# KiCad board RX8-7.kicad_pcb (continued)
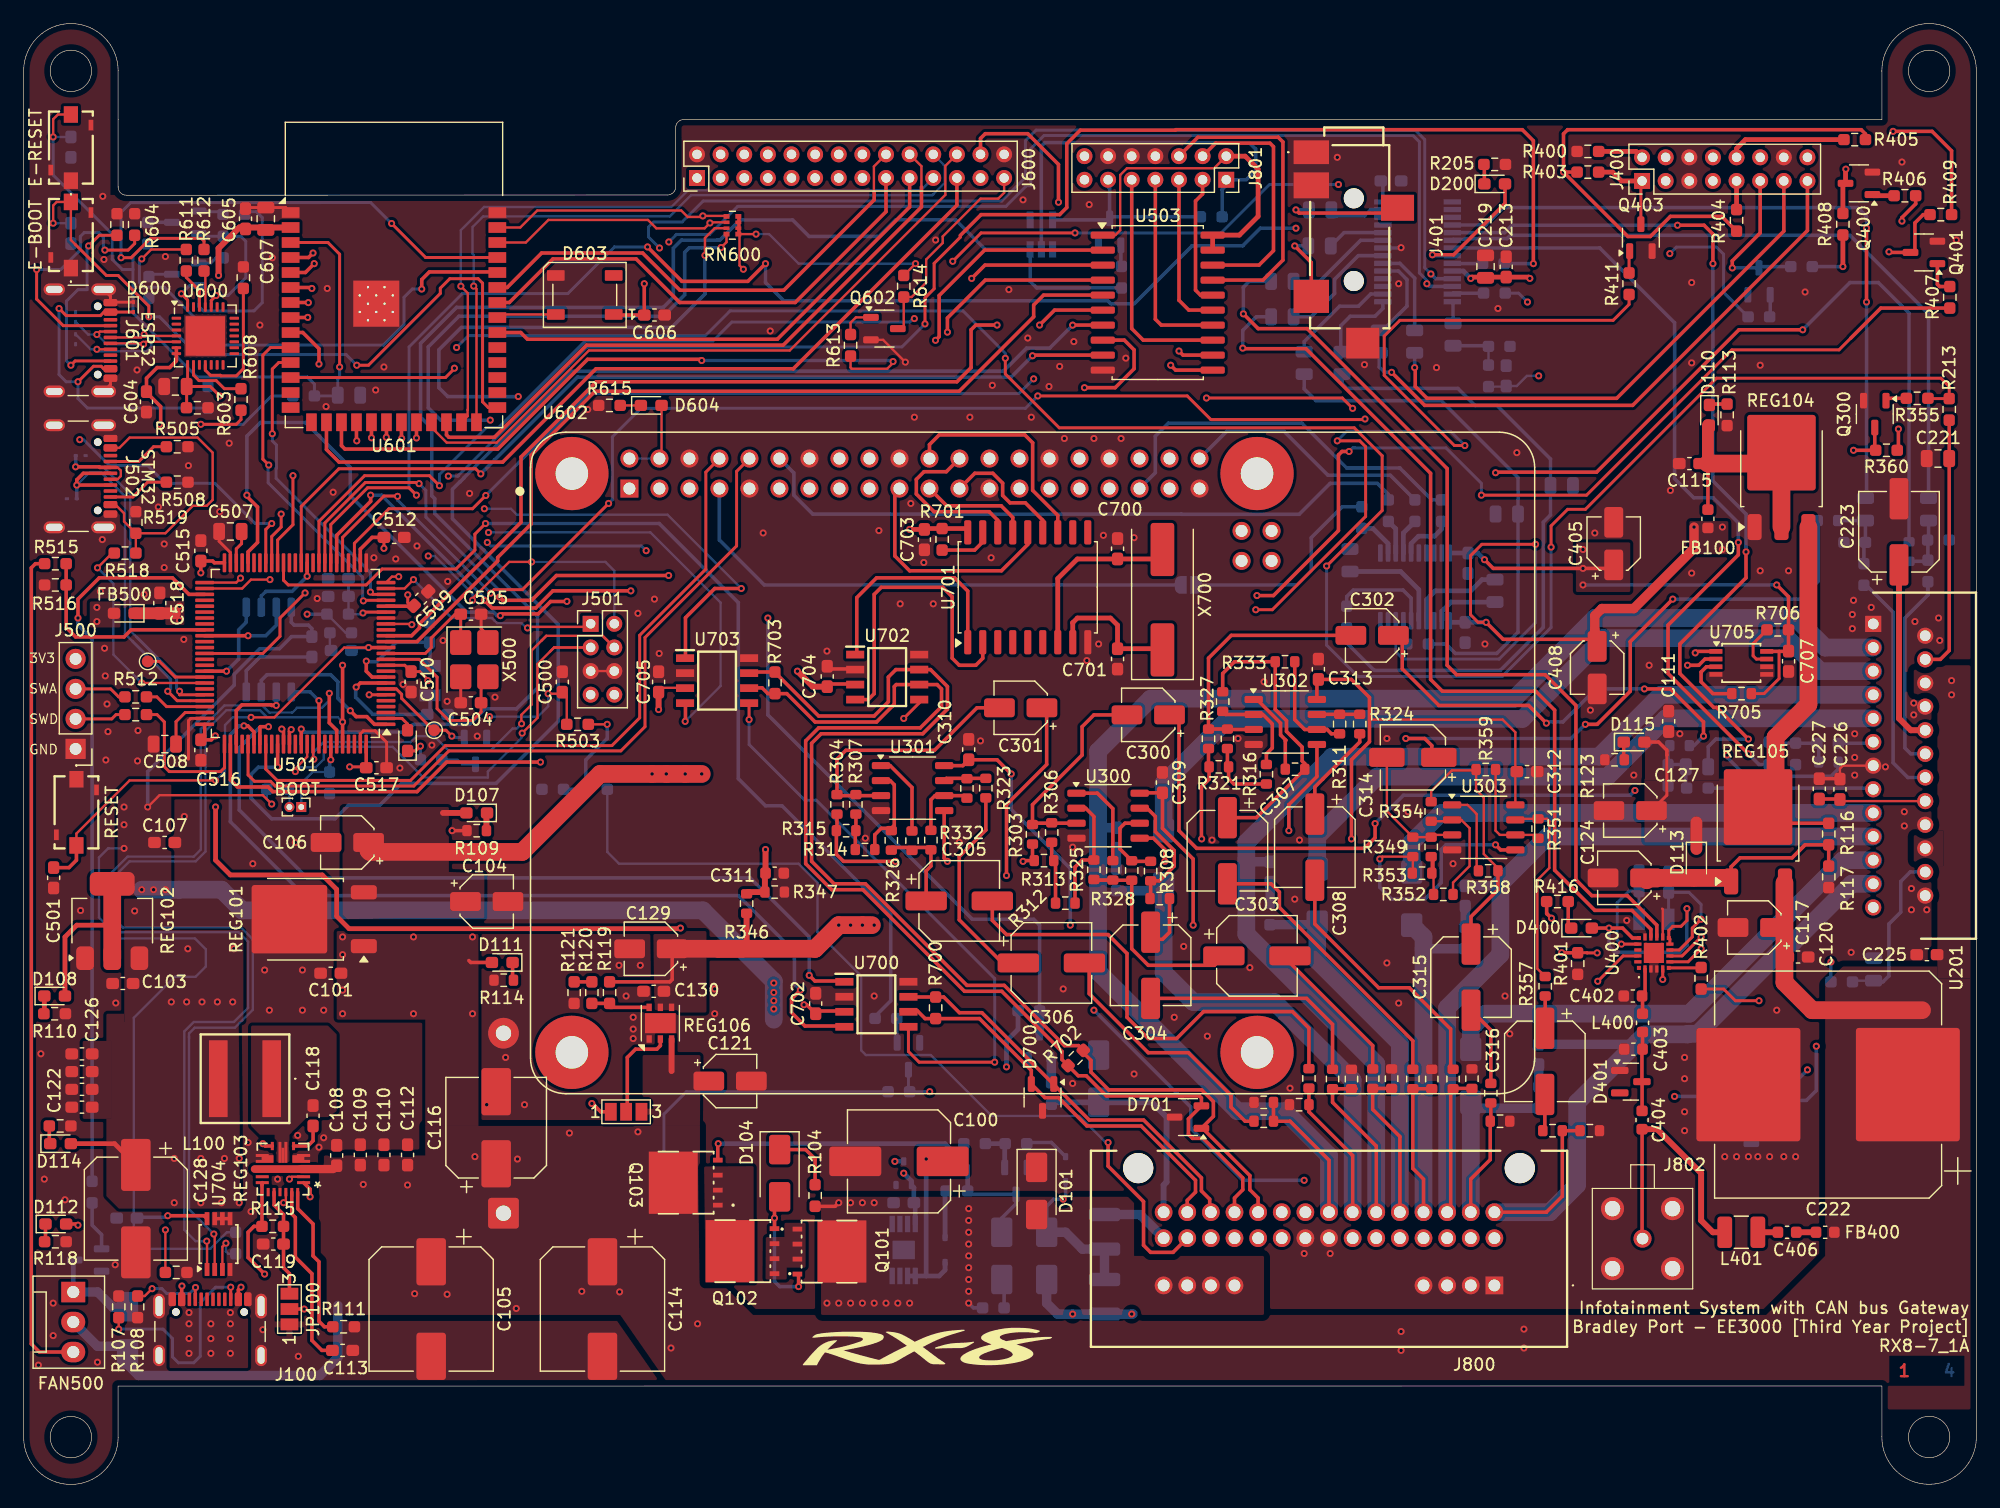
[diagram p0: board, top side]
## Routing (per net, layer and track width the routed paths; a pad name or vN(x,y) marks a point on that pad's centre or on a via; arc(x,y) is an arc through that point) (continued)
/MCU1/BOOT0: length 7.3
  Top w0.3: U501.94 v1(26,61.34)
  Bottom w0.2: BOOT.1 23.5,59.34 24.46,60.31 R510.2
  Bottom w0.3: v1(26,61.34) 25.9,61.24 25.9,60.26
/MCU1/CAN1_RXD: length 73.7
  Top w0.3: U501.81 19.5,63.69 18.98,64.22 v1(18.65,64.22) ; v1(65.75,41.84) 65,41.09 65,39.94 66.14,38.8 69.32,38.8
  Bottom w0.3: v1(18.65,64.22) 18.25,64.22 17.5,63.47 17.5,56.09 23.75,49.84 60.5,49.84 65.25,45.09 65.25,42.34 v1(65.75,41.84)
/MCU1/CAN1_TXD: length 69.6
  Top w0.3: 69.32,42.61 66.98,42.61 v1(66.5,43.09) ; v1(20.73,64.14) 20.05,64.14 20,64.09 U501.82
  Bottom w0.3: v1(20.73,64.14) 20.05,64.14 18.25,62.34 18.25,57.09 24,51.34 61.5,51.34 66.5,46.34 v1(66.5,43.09)
/MCU1/CAN2_RXD: length 61.9
  Top w0.2: U501.52 18.5,75.84 19.25,76.59 v1(20.85,76.59)
  Top w0.3: v1(56,64.59) 56.03,64.62 56.03,66.16
  In2.Cu w0.2: v1(20.85,76.59) 22.5,78.24 22.5,79.84 23.25,80.59 38.5,80.59 38.51,80.58 v1(39.35,80.58)
  Bottom w0.2: v1(39.35,80.58) 39.36,80.59 53.05,80.59 59,74.64 59,67.59 v1(56,64.59)
/MCU1/CAN2_TXD: length 60
  Top w0.2: v1(18.36,76.72) 18.36,76.7 18,76.34 U501.51
  Top w0.3: 56.03,69.97 56.03,73.37 58.5,75.84 v1(60.75,75.84)
  In2.Cu w0.2: v1(39,82.59) 37.47,81.07 22.72,81.07 18.38,76.72 v1(18.36,76.72)
  Bottom w0.2: v1(60.75,75.84) 54.5,82.09 41.75,82.09 41.25,82.59 v1(39,82.59)
/MCU1/CCU_RX: length 36.4
  Top w0.3: U503.11 97.51,94.33 v1(97.1,94.74) ; J600.26 81,113.94 81.4,114.34 85,114.34 87.6,111.74 v1(87.6,108.54)
  In2.Cu w0.3: v1(97.1,94.74) 98.4,94.74 99.2,95.54 99.2,96.84 87.6,108.44 v1(87.6,108.54)
/MCU1/CCU_TX: length 32.8
  Top w0.3: U503.12 98.15,95.6 v1(97.8,95.94)
  In2.Cu w0.3: v1(97.8,95.94) 89.1,104.64 78.78,104.64 78.35,105.07 78.35,107.94 J600.25
/MCU1/ESP32_RX: length 28.9
  Top w0.25: v1(20.75,86.29) 20.25,86.79 20.25,95.59 20.9,96.24 U601.10 ; U501.22 28.8,74.84 v1(28.75,74.8)
  Bottom w0.25: v1(28.75,74.8) 28.7,74.85 28.7,76.79 28.36,77.13 28.36,77.15 28.04,77.47 28.02,77.47 20.7,84.79 20.7,86.24
/MCU1/ESP32_TX: length 25.5
  Top w0.25: U601.11 21.6,94.97 21.05,94.42 v1(21.05,88.94) ; U501.23 29.55,75.34 v1(29.35,75.54)
  Bottom w0.25: v1(21.05,88.94) 21.05,88.34 21.4,87.99 21.4,86.06 21.37,86.03 21.37,85.17 29.35,77.19 v1(29.35,75.54)
/MCU1/FAN_TACHO: length 17.7
  Top w0.3: R515.2 R516.1 3.6,72.54 4.4,71.74 8.5,71.74 9.1,72.34 U501.59
/MCU1/Illum_IN: length 93.8
  Top w0.3: v1(51.4,75.64) 44.8,75.64 43.35,74.19 39.65,74.19 v1(39,74.84) ; v1(29.38,83.74) 29.38,83.22 26.5,80.34 U501.31
  In2.Cu w0.3: v1(63,73.34) 53.7,73.34 v1(51.4,75.64)
  Bottom w0.3: R502.1 86,47.34 85.5,47.84 80.3,47.84 63,65.14 v1(63,73.34) ; v1(29.38,83.74) 30.28,83.74 39,75.02 v1(39,74.84)
  Bottom w0.8: Q500.1 R502.1
/MCU1/NRST: length 40.9
  Top w0.2: v1(19.25,64.93) 21.22,64.93 27.13,70.84 v1(29.2,70.84) ; v1(16.25,59.59) 8.97,59.59 4.47,55.09 RESET.2
  Top w0.3: C501.2 3.84,52.21 4.47,52.84 RESET.2 ; U501.14 v1(29.2,70.84)
  Bottom w0.2: v1(16.25,59.59) 17.05,60.39 17.05,64.28 17.7,64.93 v1(19.25,64.93)
  Bottom w0.3: v1(29.2,70.84) 27.9,70.84 27.8,70.74
/MCU1/OUT1Hz: length 8.5
  Top w0.25: v1(36.25,63.34) 35.75,63.84 TP500.1 34.7,63.84 32,66.54 32,66.89 31.54,67.34 U501.7
  Bottom w0.25: Q502.2 36.36,63.23 v1(36.25,63.34)
/MCU1/OUT25MHz: length 5.4
  Top w0.25: U501.67 12.82,68.34 11.5,69.67 TP501.1
/MCU1/PA2: length 19.5
  Top w0.2: v1(42.65,72.51) 42.74,72.59 47.75,72.59 48,72.84 ; v1(33,76.59) 32.25,75.84 U501.24
  Bottom w0.2: v1(42.65,72.51) 42.55,72.51 42.14,72.91 40.08,72.91 39.89,73.1 39.88,73.1 39.64,73.34 36.25,73.34 v1(33,76.59)
/MCU1/PA3: length 28.4
  Top w0.2: v1(38,74.84) 38,74.99 41.1,78.09 v1(43,78.09) ; v1(31.75,76.84) 31.17,76.84 U501.25
  In2.Cu w0.2: v1(34.25,78.59) 33.5,78.59 v1(31.75,76.84)
  Bottom w0.2: v1(43,78.09) 49.25,78.09 50,77.34 50,72.84 ; v1(34.25,78.59) 34.79,78.59 38,75.39 v1(38,74.84)
/MCU1/PB4: length 41.4
  Top w0.2: 44.56,70.51 43.5,69.44 43.5,64.89 v1(42.2,63.59) ; 44.56,70.51 44.9,70.84 48,70.84 ; 44.56,70.51 44.91,70.85 J501.3 ; U501.90 24,61.59 23,60.59 v1(23,60.34)
  Bottom w0.2: v1(42.2,63.59) 42.15,63.54 42.15,63.19 39.3,60.34 39.3,59.84 33.83,59.84 31.23,62.44 25.7,62.44 25.4,62.14 25.4,61.37 24.73,60.71 23.36,60.71 v1(23,60.34)
/MCU1/PB5: length 37.9
  Top w0.2: 43.85,71.45 44.24,71.83 ; 43.85,71.45 43,70.59 43,66.01 42.13,65.15 42.13,64.41 v1(42.15,64.39) ; 43.85,71.45 44.24,71.83 49.01,71.83 50,70.84 ; v1(24.56,61.39) 24.5,61.45 U501.91 ; 49.02,71.83 J501.4
  Bottom w0.2: v1(42.15,64.39) 41.74,63.99 41.39,63.99 39.5,62.09 36,62.09 34.75,63.34 33.25,63.34 32.75,62.84 25.4,62.84 24.56,62.01 v1(24.56,61.39)
/MCU1/QSPI_CLK: length 6.7
  Top w0.3: v1(24,76.88) U501.36
  Bottom w0.3: v1(24,76.88) 22.71,75.59 20.5,75.59 20.11,75.21 U502.6
/MCU1/QSPI_CS: length 6.3
  Top w0.3: v1(25,66.34) U501.92
  Bottom w0.3: U502.1 24.26,67.08 v1(25,66.34)
/MCU1/QSPI_D0: length 8
  Top w0.3: U501.66 v1(17.17,68.84)
  Bottom w0.3: U502.5 18.84,72.99 18.2,72.34 18.2,69.87 v1(17.17,68.84)
/MCU1/QSPI_D1: length 7.6
  Top w0.3: U501.78 18,65.51 18.48,65.99 20.95,65.99 21,65.94 v1(21.38,65.94)
  Bottom w0.3: v1(21.38,65.94) U502.2
/MCU1/QSPI_D2: length 14.3
  Top w0.3: U501.1 29.7,64.34 29.05,64.99 28.15,64.99 v1(27.65,65.49)
  Bottom w0.3: v1(27.65,65.49) 26.6,66.54 26.6,67.94 26,68.54 20.6,68.54 20.11,68.06 U502.3
/MCU1/QSPI_D3: length 8
  Top w0.3: U501.60 v1(19,71.84)
  Bottom w0.3: U502.7 21.38,72.73 20.5,71.84 v1(19,71.84)
/MCU1/RS_MODE: length 104
  Top w0.3: v1(22.65,63.9) 22.5,63.75 U501.87 ; v1(78.2,97.54) 78.2,98.74 81.41,101.95 91.35,101.95
  In2.Cu w0.3: v1(22.65,63.9) 22.65,64.39 22.85,64.59 24.95,64.59 26.9,62.64 29.73,62.64 31.03,61.34 39.6,61.34 41.5,63.24 41.5,65.93 42,66.43 42,87.43 42.5,87.93 42.5,88.44 43.9,89.84 50.46,89.84 51.61,90.99 70.82,90.99 71.97,92.14 73.4,92.14 77.46,96.2 77.46,96.2 77.84,96.58 77.84,96.58 78.2,96.94 v1(78.2,97.54)
/MCU1/STM32_RX: length 61.1
  Top w0.25: U602.8 57.75,85.69 57.75,77.48 52.15,71.88 52.15,64.89 49.8,62.54 35.7,62.54 32.75,59.59 21.46,59.59 20.5,60.55 U501.83
/MCU1/STM32_TX: length 65
  Top w0.25: U501.80 19,60.06 19.54,59.52 20.9,59.52 21.3,59.12 33.03,59.12 36,62.09 50.55,62.09 52.6,64.14 52.6,71.69 60.35,79.44 60.35,85.75 U602.10
/MCU1/U1LCD_CS: length 77
  Top w0.3: U501.15 33.3,71.34 40.12,78.17 40.12,78.47 42.96,81.3 42.96,87.12 48.38,92.54 79.2,92.54 85.5,98.84 85.5,99.84 86.34,100.68 U503.5
/MCU1/U1LCD_EN: length 120.8
  Top w0.3: v1(21.5,60.72) U501.85 ; v1(88.8,98.14) U503.7
  Bottom w0.3: v1(21.5,60.72) 19.88,60.72 19.25,60.09 19.25,58.09 21,56.34 26.35,56.34 27.5,57.49 30.15,57.49 32,59.34 40,59.34 45.25,64.59 45.25,72.79 36.3,81.74 36.3,84.24 36.93,84.88 36.96,84.88 37.25,85.17 37.25,85.19 46.3,94.24 82.95,94.24 84.9,96.19 86.86,96.19 v1(88.8,98.14)
/MCU1/U1LCD_MOSI: length 77.4
  Top w0.3: U501.16 32.84,71.84 33.51,72.51 33.51,72.85 42.1,81.44 42.1,86.97 48.47,93.34 79,93.34 80.2,94.54 80.2,97.74 80.6,98.14 v1(82.4,98.14) ; 91.35,99.41 87.26,99.41 v1(86,98.14)
  In2.Cu w0.3: v1(82.4,98.14) v1(86,98.14)
/MCU1/U1LCD_SCK: length 120
  Top w0.3: U501.46 19,78.94 19.8,79.74 19.8,82.74 18.9,83.64 v1(18.9,83.74) ; v1(80.25,102.09) 81.38,103.22 U503.3 ; v1(45.99,74.75) 45.98,74.74 44.61,74.74 43.56,73.69 40.5,73.69 v1(40.35,73.54)
  In2.Cu w0.3: v1(45.99,74.75) 45.1,75.64 45.1,76.94 44.3,77.74 44.3,81.84 42.6,83.54 42.6,87.32 44.31,89.02 50.38,89.02 51.75,90.39 73.7,90.39 80.25,96.94 v1(80.25,102.09)
  Bottom w0.3: v1(18.9,83.74) 18.9,88.74 20.05,89.89 23.87,89.89 27.65,86.11 27.65,83.69 37.5,73.84 39.78,73.84 40.06,73.56 40.34,73.56 v1(40.35,73.54)
/MCU1/UART7_RX: length 78.3
  Top w0.25: v1(38.7,85.54) 38.26,85.98 26.69,85.98 23.5,82.79 U501.37
  Top w0.3: U503.9 85.46,95.6 v1(85.4,95.54)
  Bottom w0.3: v1(38.7,85.54) 39.9,86.74 39.9,86.76 46.88,93.74 83.6,93.74 v1(85.4,95.54)
/MCU1/UART7_TX: length 111.7
  Top w0.3: v1(89.8,92.84) 92.4,92.84 94,94.44 94,96.04 93.18,96.87 91.35,96.87 ; U501.77 17.5,59.64 18.1,59.04 20.7,59.04 21.1,58.64 33.3,58.64 35.8,61.14 v1(43.75,61.14)
  In2.Cu w0.3: 50.17,87.81 50.17,78.01 43.75,71.59 v1(43.75,61.14) ; 50.17,87.81 50.47,88.12 ; 50.17,87.81 50.47,88.12 ; 50.47,88.12 51.9,89.54 86.2,89.54 89.5,92.84 v1(89.8,92.84)
/MCU1/USB_CC1: length 5.3
  Top w0.25: J502.A5 9.75,86.59 11,87.84 R505.1
/MCU1/USB_CC2: length 5.3
  Top w0.25: J502.B5 9.25,83.59 10.5,84.84 R508.1
/MCU1/USB_DN: length 32.8
  Top w0.2: J502.A7 7.96,85.09 8.23,85.36 8.23,85.83 7.96,86.09 J502.B7
  Top w0.25: U501.70 13.21,66.84 13.2,66.85 v1(13.2,67.14)
  Top w0.3: v1(4.4,86.14) 6.4,86.14 6.45,86.09 J502.B7
  Bottom w0.2: v1(4.4,86.14) 6.72,86.14 9.03,83.84 9.03,72.27 9.58,71.72
  Bottom w0.25: v1(13.2,67.14) 12.95,67.39 12.95,68.35 9.58,71.72
  Bottom w0.3: D502.2 4.41,86.35 4.4,86.34 v1(4.4,86.14)
/MCU1/USB_DP: length 34.6
  Top w0.25: v1(12.2,67.14) 13,66.34 U501.71
  Top w0.3: J502.A6 5.05,85.59 4.5,85.04 v1(4.5,84.59) J502.B6
  Bottom w0.2: v1(4.5,84.59) 5.6,85.69 6.53,85.69 8.58,83.65 8.58,72.01 9.22,71.37
  Bottom w0.25: 9.22,71.37 12.45,68.14 12.45,67.39 v1(12.2,67.14)
  Bottom w0.3: D503.2 v1(4.5,84.59)
/MCU1/WheelButton_IN: length 24.2
  Top w0.2: R503.2 45.97,66.69 C500.1 45.47,66.93 v1(44.4,66.93) ; U501.18 32.8,72.84 v1(32.86,72.78)
  In2.Cu w0.2: v1(32.86,72.78) 33.25,72.39 33.25,71.59 35,69.84 35,67.8 35.76,67.04 36.5,67.04 37.2,66.34 38.09,66.34 v1(39.44,64.99)
  Bottom w0.2: v1(44.4,66.93) 44.4,65.86 43.53,64.99 v1(39.44,64.99)
/MCU2/CLCD_BACK: length 18
  Top w0.2: J600.27 83,109.34 82.5,108.84 81,108.84 77.8,105.64 77.8,105.09 76.4,103.69 76.4,101.74 75.18,100.52 R614.2 74.5,97.84 Q602.1
/MCU2/CLCD_DC: length 67.4
  Top w0.3: 25.64,89.91 25.64,87.61 26.7,86.54 40.55,86.54 48.45,94.44 65.15,94.44 79,108.29 J600.23
/MCU2/CLCD_RST: length 57
  Top w0.2: J600.24 78.02,111.62 78.02,109.17 64.85,95.99 47.85,95.99 40.05,88.19 35.81,88.19 34.53,89.48 U601.23
/MCU2/CS1: length 42.2
  Top w0.3: J600.19 75,108.14 63.8,96.94 42.65,96.94 42.08,97.51 U601.32
/MCU2/CS2: length 61.1
  Top w0.2: v1(38.1,101.44) 38.33,101.21 U601.26
  Bottom w0.2: 76.93,109.14 77.02,109.23 ; 76.93,109.14 56.5,109.14 54.7,107.34 38.9,107.34 38,106.44 38,104.19 38.1,104.09 v1(38.1,101.44) ; 76.93,109.14 77.02,109.23 ; 77.02,109.23 77.98,110.19 77.98,111.62 J600.22
/MCU2/CS3: length 58.6
  Top w0.2: U601.25 37.58,90.43 37.58,90.96 37.6,90.96 37.6,100.84 v1(37.01,101.43)
  Bottom w0.2: J600.21 75.95,109.54 56.23,109.54 54.83,108.14 38.98,108.14 37.01,106.17 v1(37.01,101.43)
/MCU2/ESP_SCL: length 24.9
  Top w0.2: U601.38 42.51,105.13 44.42,107.04 52.85,107.04 53.56,106.33 57.64,106.33 v1(58.09,106.79) 58.15,106.84 RN600.3
  In2.Cu w0.2: J600.3 59,108.83 58.09,107.93 v1(58.09,106.79)
/MCU2/ESP_SDA: length 26.1
  Top w0.2: U601.39 42.04,106.4 43.48,107.84 55.67,107.84 56.21,107.3 57.41,107.3 v1(57.49,107.38) 57.5,107.39 59.46,107.39 RN600.2
  In2.Cu w0.2: v1(57.49,107.38) 57.49,108.24 57.98,108.72 57.98,111.57 J600.4
/MCU2/LCD_PWM: length 56.9
  Top w0.2: R613.1 70,94.54 70.1,94.44 73.1,94.44 73.6,94.94 v1(73.6,95.06)
  Top w0.3: v1(57.4,95.14) 57.3,95.24 47.74,95.24 40.14,87.64 27.2,87.64 26.91,87.94 U601.17
  Bottom w0.3: v1(73.6,95.06) 73.51,95.14 57.5,95.14
/MCU2/LED_DIN: length 5.1
  Top w0.2: U601.33 40.36,99.04 D603.4
/MCU2/MT1_UH: length 46.7
  Top w0.3: U601.4 24.12,103.86 v1(24.5,104.24)
  In2.Cu w0.2: J600.6 59.98,111.57 59.98,109.49
  In2.Cu w0.3: 59.98,109.49 59.98,104.72 58.65,103.39 44.05,103.39 43.2,104.24 v1(24.5,104.24)
/MCU2/MT1_UL: length 57.8
  Top w0.3: v1(24.1,100.04) 24.09,100.05 U601.7
  In2.Cu w0.2: 64,109.84 64,111.59 J600.8
  In2.Cu w0.3: 64,109.84 64,107.99 64.5,107.49 64.5,101.39 63.2,100.09 38.55,100.09 37.95,99.49 35.05,99.49 32.5,96.94 25.5,96.94 24.9,97.54 24.9,99.24 v1(24.1,100.04)
/MCU2/MT1_VH: length 46
  Top w0.3: v1(24.6,103.34) 23.85,102.59 U601.5
  In2.Cu w0.3: J600.5 61,104.34 59.25,102.59 42.85,102.59 42.1,103.34 v1(24.6,103.34)
/MCU2/MT1_VL: length 60.2
  Top w0.25: U601.12 35.71,93.7 36.47,94.46 v1(36.47,94.49)
  In2.Cu w0.3: J600.11 67,97.44 66.3,96.74 62,96.74 61.1,97.64 39,97.64 36.47,95.11 v1(36.47,94.49)
/MCU2/MT1_WH: length 54.2
  Top w0.3: v1(24.4,101.24) 24.32,101.32 U601.6
  In2.Cu w0.3: J600.7 62.95,110.54 62.95,106.59 63.6,105.94 63.6,101.84 62.6,100.84 38.35,100.84 37.8,100.29 34.95,100.29 32.3,97.64 26.4,97.64 25.9,98.14 25.9,99.74 v1(24.4,101.24)
/MCU2/MT1_WL: length 64.3
  Top w0.3: U601.18 28.17,88.37 v1(28.2,88.34)
  In2.Cu w0.2: 68,108.64 68,111.59 J600.12
  In2.Cu w0.3: 68,108.34 68,97.04 66.9,95.94 59.6,95.94 58.8,96.74 39.1,96.74 38.1,95.74 38.1,94.84 36.7,93.44 31.6,93.44 28.2,90.04 v1(28.2,88.34) ; 68,108.34 68,109.54 ; 68,108.34 68,108.64
/MCU2/MT2_UH: length 60.1
  Top w0.3: U601.19 v1(29.44,88.6)
  In2.Cu w0.3: v1(29.44,88.6) 29.44,89.49 32.9,92.94 37.6,92.94 38.9,94.24 38.9,95.44 39.4,95.94 58.3,95.94 59,95.24 67.9,95.24 69,96.34 J600.13
/MCU2/MT2_UL: length 61.9
  Top w0.3: U601.22 v1(33.25,88.59)
  In2.Cu w0.2: J600.16 72,111.59 72,108.94
  In2.Cu w0.3: 72,108.94 72,95.14 69.3,92.44 43.9,92.44 43.2,93.14 41.55,93.14 39.15,90.74 34.3,90.74 33.3,89.74 33.3,88.63 v1(33.25,88.59)
/MCU2/MT2_VH: length 62.7
  Top w0.3: v1(30.7,88.64) 30.72,88.66 30.72,89.91
  In2.Cu w0.2: J600.14 70.02,111.57 70.02,109.64
  In2.Cu w0.3: v1(30.7,88.64) 30.7,89.44 33.6,92.34 38.5,92.34 39.9,93.74 39.9,94.29 40.7,95.09 52.35,95.09 53.5,93.94 68.4,93.94 70.02,95.57 70.02,109.64
/MCU2/MT2_VL: length 56.9
  Top w0.3: U601.8 24.04,98.78 v1(24.05,98.79)
  In2.Cu w0.3: v1(24.05,98.79) 24.05,97.19 25.1,96.14 32.7,96.14 35.1,98.54 38.05,98.54 38.85,99.34 64.13,99.34 65.49,100.7 65.49,108.2 65,108.69 J600.9
/MCU2/MT2_WH: length 60
  Top w0.3: U601.21 31.98,88.56 v1(32,88.54)
  In2.Cu w0.3: v1(32,88.54) 32,89.44 34.2,91.64 38.7,91.64 41.2,94.14 52,94.14 53,93.14 69.1,93.14 71,95.04 J600.15
/MCU2/MT2_WL: length 60.6
  Top w0.3: v1(25,94.84) 25,96.14 23.63,97.51 U601.9
  In2.Cu w0.2: J600.10 66.02,111.57 66.02,109.87
  In2.Cu w0.3: v1(25,94.84) 25.55,95.39 32.95,95.39 35.25,97.69 38.1,97.69 39,98.59 64.85,98.59 66.02,99.77 66.02,109.87
/MCU2/PI_CS: length 14.5
  Top w0.3: U701.16 82.46,81.62 81.74,82.34 77.07,82.34 75.57,83.84 75.57,85.08 76.22,85.73 78.11,85.73 U602.24
/MCU2/PI_INT: length 19
  Top w0.3: U602.22 76.68,88.02 77.5,88.84 84.75,88.84 85.41,88.18 85.41,84.16 87.54,82.03 U701.12
/MCU2/PI_MISO: length 9.3
  Top w0.3: U701.15 83.73,81.86 82.75,82.84 78.14,82.84 U602.21
/MCU2/PI_MOSI: length 19.6
  Top w0.3: U602.19 73.75,83.91 73.75,78.59 75,77.34 82.77,77.34 85,79.57 U701.14
/MCU2/PI_SCLK: length 10.9
  Top w0.3: U701.13 86.27,81.62 84.79,83.09 83.5,83.09 82.87,83.72 82.87,84.76 82.04,85.59 80.51,85.59 U602.23
/MCU2/U6_EN: length 63.2
  Top w0.2: E-RESET.2 2.9,115.97 2.5,115.57 v1(2.5,114.07)
  Top w0.25: v1(26.75,94.59) 26.75,104.14 25.76,105.13 U601.3
  Bottom w0.2: C600.2 v1(2.5,114.07)
  Bottom w0.25: 9.25,102.84 9.25,99.18 14.67,93.76 24,93.76 24.61,93.14 R609.2 26.53,92.14 C603.1 26.59,93.55 26.75,93.71 v1(26.75,94.59) ; 9.25,102.84 8.36,102.84 7.5,103.71 7.5,105.84 2.5,110.84 v1(2.5,114.07) ; 9.25,102.84 9.25,103.98 10.5,105.23
/MCU2/U6_GPIO0: length 64.1
  Top w0.2: 4.38,104.97 4,105.34 E-BOOT.2 2.8,108.57 2.5,108.27 v1(2.5,106.77)
  Top w0.25: v1(28.2,94.74) 29.19,94.74 35.27,100.82 35.27,101.26 36.08,102.07 38.47,102.07 38.85,101.69 38.85,91.64 39.33,91.16 U601.27 ; 4.38,104.97 7,102.34 8,102.34 10.6,99.74 v1(10.6,98.84)
  Bottom w0.2: v1(2.5,106.77) C602.2
  Bottom w0.25: v1(28.2,94.74) 27.3,95.64 14.7,95.64 11.5,98.84 v1(10.6,98.84) 10.6,100.42
/MCU2/U6_MISO: length 42
  Top w0.3: U601.34 41.11,100.05 44.8,103.74 51.85,103.74 55.54,100.05 65.31,100.05 73,107.74 J600.17
/MCU2/U6_MOSI: length 41.9
  Top w0.2: 72,109.34 71.98,109.37 71.98,111.57 J600.18
  Top w0.3: U601.35 40.93,101.32 43.85,104.24 52.4,104.24 55.55,101.09 64.35,101.09 72,108.74 72,109.34
/MCU2/U6_SCLK: length 54.3
  Top w0.2: J600.20 76,111.59 76,109.84
  Top w0.3: 76,109.84 76,108.14 64.3,96.44 47.65,96.44 39.85,88.64 36,88.64 35.8,88.85 35.8,89.91
/MCU2/U6DTR: length 19.6
  Top w0.25: v1(13.35,100.79) 13.88,100.26 U600.28
  Bottom w0.25: 18.7,107.74 19.7,107.74 20.2,107.24 20.2,100.04 19.5,99.34 15.2,99.34 14.8,99.74 14.82,99.77 Q601.3 14.05,101.49 v1(13.35,100.79)
/MCU2/U6RTS: length 11.6
  Top w0.25: v1(16.3,100.64) 15.88,100.22 U600.24
  Bottom w0.25: v1(16.3,100.64) 17.3,100.64 18.8,102.14 18.8,105.24 18.39,105.66 R601.1 15.06,105.66 Q600.3
/MCU2/U6RXD: length 43.1
  Top w0.2: v1(10,103.74) 10.8,104.54 R611.2
  Top w0.3: v1(33.7,101.19) 33.7,101.99 34.35,102.64 40.05,102.64 U601.36
  Bottom w0.25: v1(33.7,101.19) 32.9,101.19 32.2,100.49 32.2,98.19 30.45,96.44 16.81,96.44 11.91,101.34 10.21,101.34 9.8,101.75 9.8,103.54 v1(10,103.74)
/MCU2/U6TXD: length 46.5
  Top w0.25: R612.2 15.27,105.25 15.04,105.48 10.74,105.48 9.1,103.84 v1(8.25,103.84) ; U601.37 34.03,103.86 v1(31.15,106.74)
  Bottom w0.25: v1(31.15,106.74) 29.38,108.52 9.06,108.51 8.25,107.69 v1(8.25,103.84)
/MCU2/USB2_CC1: length 22.1
  Top w0.25: J601.A5 3.35,98.09 1.1,100.34 v1(1.1,102.84) ; R604.1 9.4,105.04 8.85,104.49 v1(6.88,104.49)
  Bottom w0.25: v1(6.88,104.49) 6.75,104.61 6.75,105.59 6.37,105.97 5.13,105.97 4.8,105.64 4.8,104.5 3.14,102.84 v1(1.1,102.84)
/MCU2/USB2_CC2: length 17.8
  Top w0.25: R605.1 6.4,105.74 v1(5.5,104.84) ; J601.B5 7.34,95.1 4.36,95.1 v1(4,94.74)
  Bottom w0.25: v1(4,94.74) 3.63,95.12 3.63,100.17 4.6,101.14 5.37,101.14 5.37,104.72 v1(5.5,104.84)
/MCU2/USB2_D+: length 15.3
  Top w0.2: J601.A6 9.95,97.09 v1(10.2,97.34) 10.32,97.22 U600.4 ; J601.B6 v1(6.2,96.09)
  Bottom w0.2: D602.2 5.67,96.09 v1(6.2,96.09) 6.37,95.93 10.4,95.93 10.8,96.33 10.8,96.74 v1(10.2,97.34)
/MCU2/USB2_D-: length 13.5
  Top w0.2: J601.A7 10.15,96.59 10.15,96.59 v1(10.15,96.53) 10.35,96.72 U600.5 ; v1(6.2,97.34) 6.45,97.59 J601.B7
  Bottom w0.2: v1(10.15,96.53) 7.01,96.53 v1(6.2,97.34) 5.46,97.34 D601.2
/Power/ENABLE: length 148.6
  Top w0.3: JP101.1 48.85,31.54 48.15,32.24 v1(48.1,32.24) ; REG103.9 20.45,28.64 v1(20.25,28.84)
  In2.Cu w0.3: v1(88,24.14) 88,13.59 87,12.59 67.5,12.59 63.88,8.97 62.3,8.97 ; v1(20.25,28.84) 23,28.84 27.97,23.87 27.97,10.57 29.57,8.97 62.3,8.97 ; 62.3,8.97 62.3,29.84 59.9,32.24 v1(48.1,32.24)
  Bottom w0.3: D105.1 86.6,23.54 87.2,24.14 v1(88,24.14) 88.2,24.34 D100.2
  Bottom w0.8: R106.2 91.5,19.92 89.62,19.92 88.2,21.34 D105.1
/Power/PG_OUT: length 45
  Top w0.3: v1(4.6,21.94) 4.5,22.04 D112.2 ; v1(20.4,17.8) 19,19.2 19,21.34 19.5,21.84 R115.1 20.17,25.37 20.2,25.39 REG103.14
  In2.Cu w0.2: v1(20.4,17.8) 21.25,16.95 21.25,10.34 20.5,9.59 8.71,9.59 6.89,11.41 6.89,17.05 4.6,19.34 v1(4.6,21.94)
/SCL: length 332.8
  Top w0.2: v1(59.04,104.7) 59.5,105.16 RN600.5 ; v1(16.1,21.19) 16.17,21.12 U704.2
  Top w0.25: v1(142,46.34) 140.4,44.74 U400.8
  Top w0.3: v1(27,69.34) v1(27,64.54) U501.96 ; U705.2 142.32,69.87 141.8,69.34 v1(140.85,69.34)
  In2.Cu w0.2: v1(54.62,105.18) 55.11,104.68 59.02,104.68 v1(59.04,104.7)
  In2.Cu w0.25: v1(142,46.34) 140.2,46.34 137.6,48.94 137.6,51.74 134.4,54.94 134.4,62.89 v1(140.85,69.34) 137,73.19 137,82.59 134.25,85.34 134.25,98.59 131.5,101.34 119.08,101.34 v1(118.78,101.64)
  In2.Cu w0.3: v1(27,69.34) 27.3,69.04 29.7,69.04 31,70.34 31,71.84 33.6,74.44 36.1,74.44 40,78.34 40,89.59 v1(39.5,90.09)
  Bottom w0.2: v1(27,64.54) 26.6,64.94 20.6,64.94 20,65.54 17.17,65.54 15.4,63.78 15.4,53.58 14.57,52.74 8.97,52.74 7.4,51.18 7.4,48.14 8.4,47.14 18.4,47.14 19.4,46.14 19.4,46.11 19.4,46.11 19.4,40.18 17.88,38.66 14.48,38.66 14,38.18 14,37.74 ; v1(16.1,21.19) 14,23.29 14,37.94
  Bottom w0.25: v1(118.78,101.64) 118.78,101.92 118.15,102.56 118.15,113.66 117.61,114.19 86.38,114.19 85.25,113.07 85.25,109.94 84.9,109.94 83.15,108.19 60.45,108.19 58.08,105.82 55.26,105.82 v1(54.62,105.18)
  Bottom w0.3: U200.26 119.01,101.42 ; v1(59.04,104.7) 59.02,104.68 57.95,104.68 57.95,104.69 57.41,104.69 57.4,104.68 56.34,104.68 55.95,104.29 55.95,100.69 54.15,98.89 36.85,98.89 34.25,96.29 34.25,91.14 35.3,90.09 v1(39.5,90.09)
/SDA: length 379.9
  Top w0.2: v1(57.68,104.04) 57.68,105.52 58.5,106.34 RN600.4 ; v1(15.5,20.59) 15.52,20.57 U704.1
  Top w0.25: v1(142,45.34) 140.9,44.24 U400.7
  Top w0.3: v1(141.5,70.39) 141.5,70.44 141.57,70.52 U705.1 ; v1(25.88,66.97) 25.88,64.47 26.5,63.84 U501.95
  In2.Cu w0.2: v1(53.82,104.67) 54.41,104.08 57.27,104.08 57.31,104.04 v1(57.68,104.04)
  In2.Cu w0.25: v1(119.12,102.47) 118.69,102.47 118.13,101.91 118.13,101.37 118.66,100.84 129,100.84 133,96.84 133,85.09 136,82.09 136,76.09 133.25,73.34 133.25,55.17 137,51.42 137,46.34 138.25,45.09 141.74,45.09 v1(142,45.34)
  In2.Cu w0.3: v1(25.88,66.97) 26.7,66.14 27.92,66.14 30.22,63.84 30.22,63.62 31.5,62.34 32.5,62.34 34.15,63.99 39.75,63.99 40.5,64.74 40.5,66.34 41,66.84 41,87.84 41.5,88.34 41.5,88.9 41.9,89.3 41.9,92.07 v1(41.87,92.09) ; v1(141.5,70.39) 141.5,68.44 135.2,62.14 135.2,55.34 138.08,52.47 138.08,50.55 141.63,46.99 142.27,46.99 142.8,46.46 142.8,45.74 142.4,45.34 v1(142,45.34)
  Bottom w0.2: v1(25.88,66.97) 25.88,66.37 25.25,65.74 23.15,65.74 22.75,65.34 20.8,65.34 20.2,65.94 17,65.94 15,63.94 15,53.74 14.4,53.14 8.8,53.14 7,51.34 7,47.94 8.2,46.74 18.2,46.74 19,45.94 19,40.34 17.8,39.14 14.4,39.14 13.6,38.34 13.6,21.54 14.55,20.59 v1(15.5,20.59)
  Bottom w0.25: v1(53.82,104.67) 52.9,105.59 52.9,106.44 53.33,106.87 55.75,106.87 57.52,108.64 82.8,108.64 84.8,110.64 84.8,113.74 85.7,114.64 117.8,114.64 118.6,113.84 118.6,102.99 v1(119.12,102.47)
  Bottom w0.3: v1(41.87,92.09) 35.9,92.09 35.15,92.84 35.15,96.04 37.05,97.94 54.85,97.94 57.68,100.77 v1(57.68,104.04) ; U200.25 119.53,102.07 v1(119.12,102.47)
ACC: length 5.8
  Bottom w0.8: J800.23 94.5,22.84 R105.1
AMPSTATE: length 206.2
  Top w0.25: R355.1 161.22,91.92 R213.1 163,92.94 162.3,93.64 143.3,93.64 132.2,82.54 130.7,82.54 129.3,81.14 v1(129.3,79.34) ; v1(21.8,82.14) 21.8,81.04 21,80.24 U501.42 ; v1(110.3,77.74) 115,82.44 115,87.08 112.64,89.44 87.66,89.44 83.1,94.01 v1(83.1,95.33)
  In2.Cu w0.25: v1(21.8,82.14) 21.8,90.54 24.65,93.39 30.63,93.39 31.59,94.35 33.76,94.35 35.65,96.24 v1(36.65,96.24)
  Bottom w0.25: v1(36.65,96.24) 37.65,97.24 57.7,97.24 59.8,99.34 79.51,99.34 83.1,95.75 v1(83.1,95.33) ; v1(110.3,77.74) 110.3,71.04 112.95,68.39 125.15,68.39 129.3,72.54 v1(129.3,79.34)
VREF: length 120.9
  Top w0.2: v1(114.8,52.94) 115,53.14 R349.1 117.6,51.79 R353.1
  Top w0.3: v1(124.6,54.14) 125.03,53.71 U303.5 ; U301.5 77.93,53.02 v1(78.2,52.74) ; R305.1 100.3,60.79 R321.1 100.35,59.69 99.7,59.04 99.7,54.66 v1(99.72,54.64) ; v1(84.6,52.74) 84.67,52.81 R313.1 85.4,52.96 R303.1 ; R304.1 68.85,55.39 R315.1 68.8,53.34 69.4,52.74 v1(73.8,52.74) ; v1(107.1,55.34) 107.1,57.54 109.47,59.92 U302.5 ; U300.5 95.64,54.7 96.6,53.74 v1(96.6,52.74)
  Top w0.5: R346.1 61.35,50.14 R347.2 62.75,51.69 C311.1 v1(62.8,53.74)
  In2.Cu w0.3: 99.6,52.74 99.72,52.86 v1(99.72,54.64) ; v1(107.1,55.34) 107.1,52.74
  In2.Cu w0.8: 106.2,52.74 v1(96.6,52.74) 63.6,52.74 62.8,53.54 v1(62.8,53.74) ; 106.2,52.74 114.6,52.74 v1(114.8,52.94) ; 106.2,52.74 107.1,52.74
  Bottom w0.3: v1(124.6,54.14) 120.4,54.14 120,53.74 120,50.94 118.6,49.54 115.8,49.54 114.8,50.54 v1(114.8,52.94)